# KiCad board MegaDrive.kicad_pcb (continued)
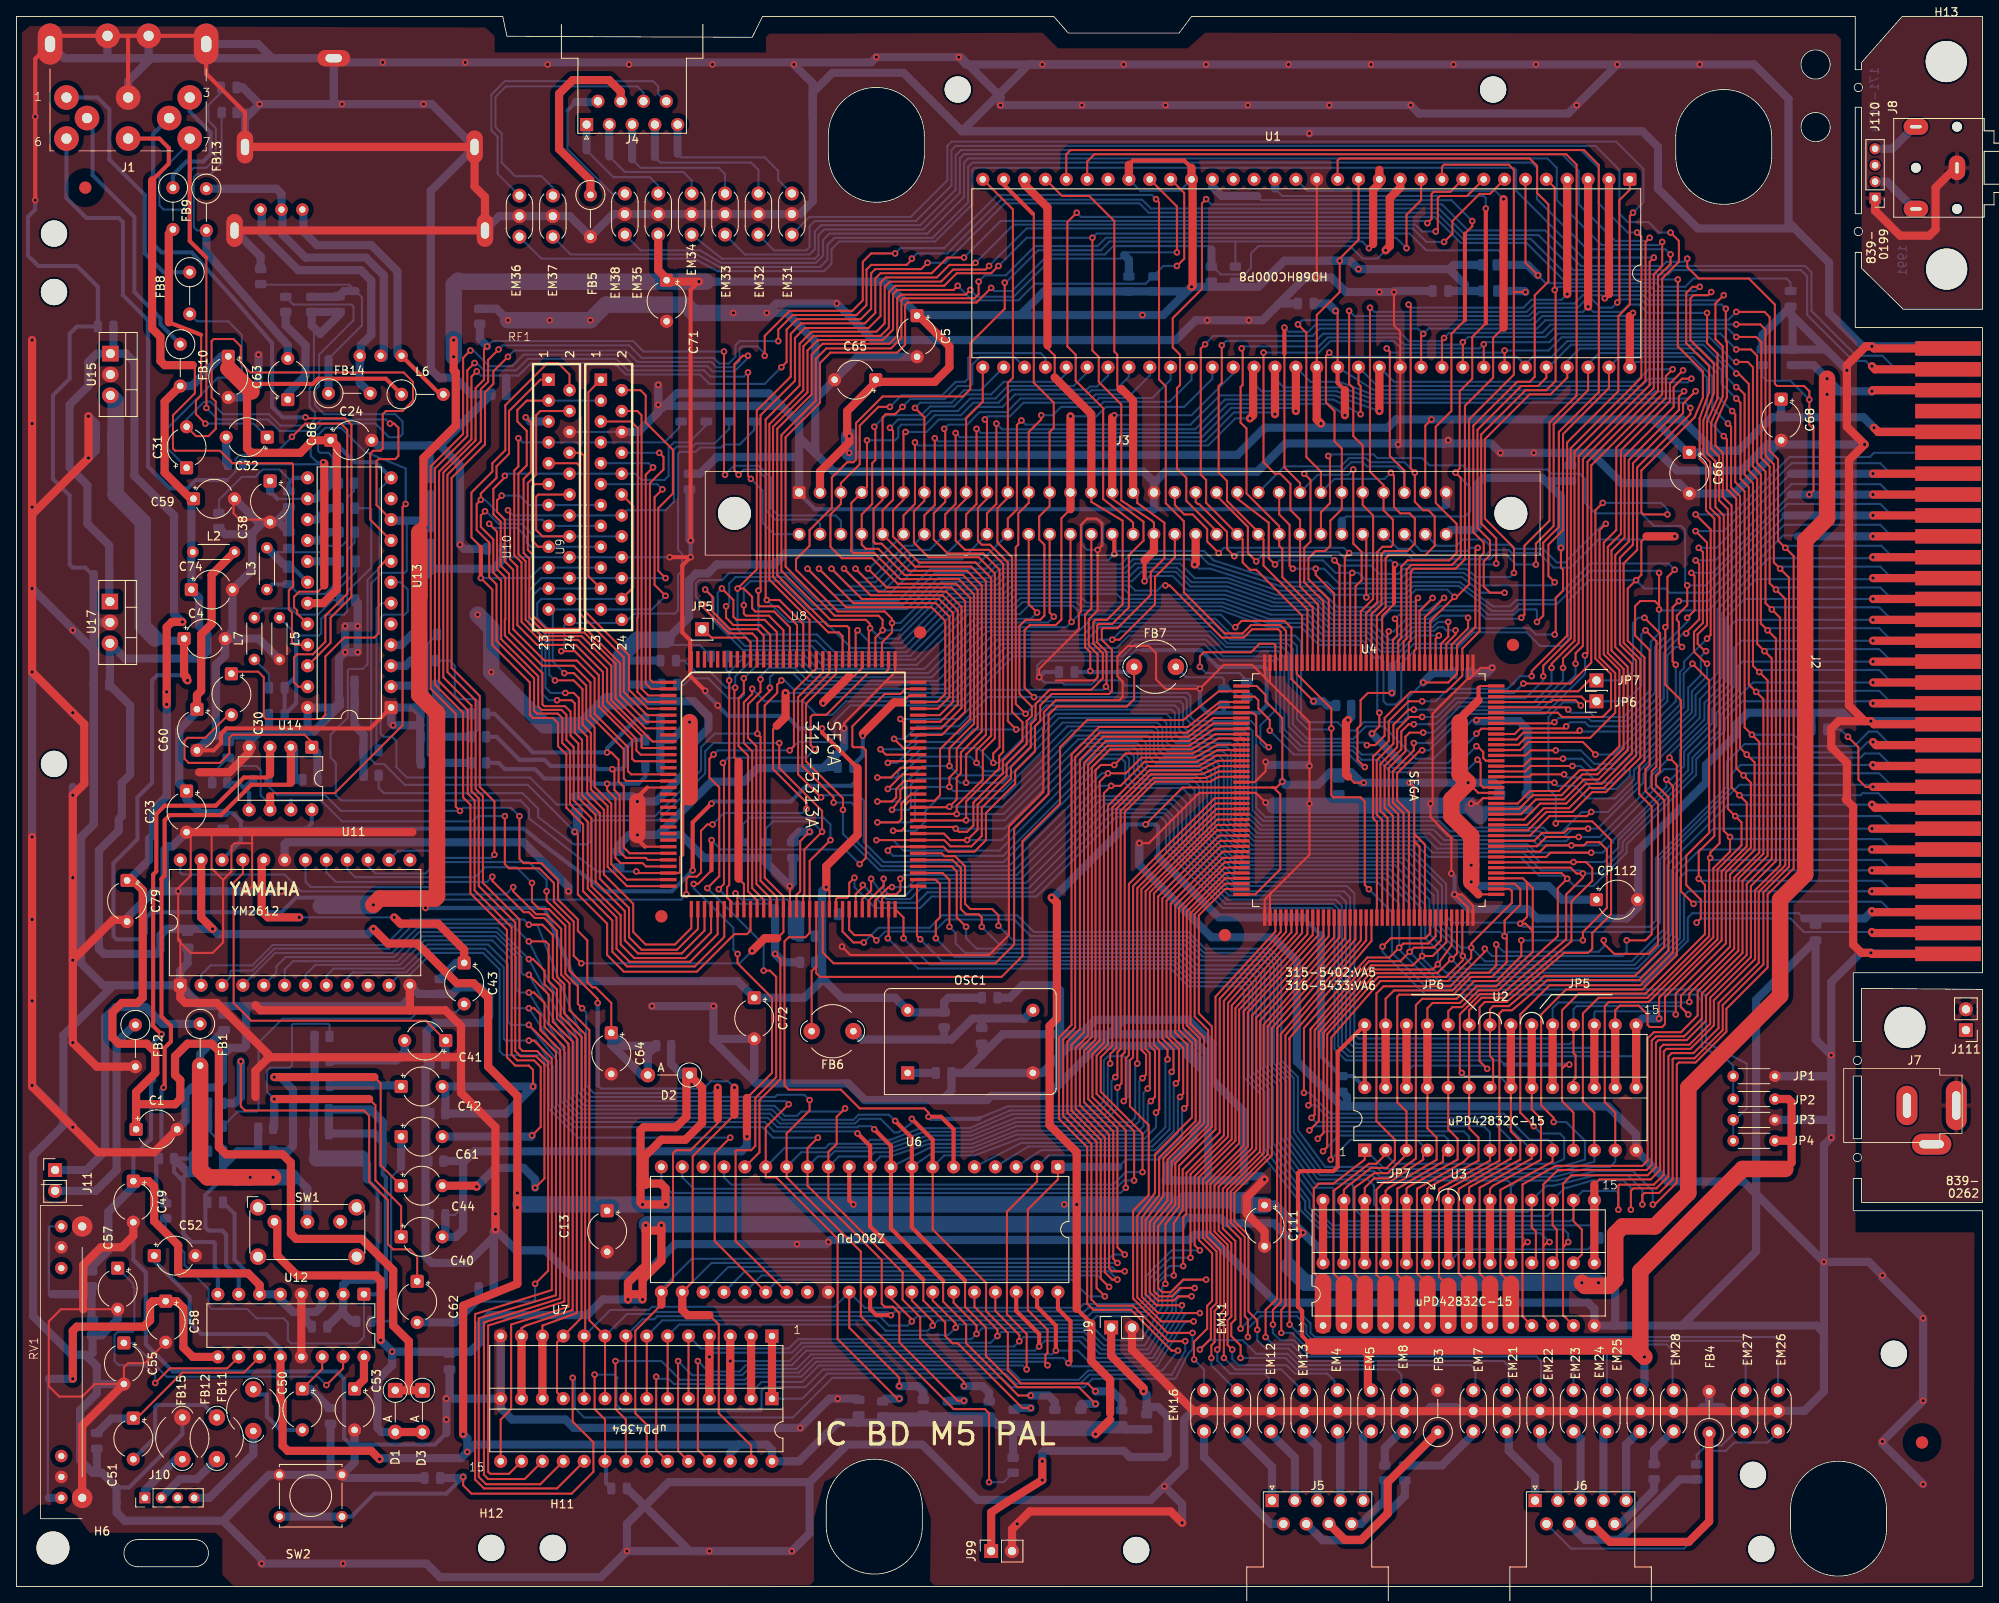
[diagram p0: board, top side]
## Routing (per net, layer and track width the routed paths; a pad name or vN(x,y) marks a point on that pad's centre or on a via; arc(x,y) is an arc through that point) (continued)
VDDF: length 190.3
  Top w0.25: v1(75.44,87) 75.63,86.8 U8.30 80.58,86.8 80.77,86.99 80.77,88.77 81.03,89.03
  Top w0.5: 81.92,96.01 81.03,95.12 81.03,89.03 ; L6.1 44.96,146.94 36.7,146.94 36.07,146.3 27.43,146.3
  Top w1: C24.1 36.07,139.45 34.54,137.92 28.58,137.92 28.07,138.43 28.07,145.67 27.43,146.3 ; 38.05,139.7 38.99,138.76 38.99,121.29 37.34,119.63 U13.19
  Top w2: 81.92,96.01 v1(81.92,105.16)
  Bottom w0.25: U13.12 44.2,133.48 44.2,123.95 42.73,122.49 42.73,112.2 42.16,111.63 40.51,111.63 40.32,111.44 40.32,105.73 38.23,103.63 38.23,100.84 38.86,100.2 38.86,96.27 39.5,95.63 61.34,95.63 62.36,94.62 62.36,93.47 70.61,87 v1(75.44,87)
  Bottom w0.5: 37.97,139.95 41.15,136.78 43.69,136.78 U13.12
  Bottom w1: v1(81.92,105.16) 79.76,103 R56.1 ; R57.1 R55.1
/A0: length 79
  Top w0.25: v1(66.67,111.13) 67.82,111.13 69.34,109.6 69.34,105.54 70.36,104.52 70.36,97.28 72.39,95.25 72.39,87.88 74.27,86 79.19,86 ; v1(78.61,133.48) 77.66,132.52 77.66,121.86 v1(78.99,120.52)
  Bottom w0.25: v1(66.67,111.13) 65.28,112.52 65.28,118.36 U10.23 U9.23 77.34,118.87 v1(78.99,120.52) ; U9.11 77.98,134.11 v1(78.61,133.48)
/A1: length 69.5
  Top w0.25: v1(65.53,110.24) 67.82,110.24 68.89,109.16 68.89,104.84 69.91,103.83 69.91,96.97 71.94,94.94 71.94,87.57 74.31,85.2 79.19,85.2 ; U9.12 75.06,131.44 75.06,121.54 U9.22
  Bottom w0.25: U9.22 U10.22 63.88,120.14 63.37,119.63 63.37,117.86 64.83,116.4 64.83,110.94 v1(65.53,110.24)
/A2: length 93.7
  Top w0.25: U9.1 69.6,145.29 69.6,122.94 U9.21 ; U8.33 82.13,80.1 80.14,78.11 76.58,78.11 75.06,79.63 75.06,83.06 71.49,86.63 71.49,94.5 69.46,96.53 69.46,103.39 68.44,104.41 68.44,108.09 67.82,108.71 v1(66.8,108.71)
  Bottom w0.25: U9.21 U10.21 63.69,121.41 62.86,120.58 62.86,117.35 64.38,115.84 64.38,109.36 65.02,108.71 v1(66.8,108.71)
/A3: length 106.5
  Top w0.25: v1(65.79,107.82) 67.56,107.82 67.95,107.44 67.95,103.89 68.83,103 68.83,96.27 70.99,94.11 70.99,86.11 74.55,82.55 74.55,78.99 76.07,77.47 80.39,77.47 82.93,80.01 U8.34 ; v1(78.99,122.68) 78.11,123.57 78.11,131.19 79.88,132.97 79.88,138.3 76.58,141.61 76.58,144.91 75.95,145.54 U9.2
  Bottom w0.25: v1(78.99,122.68) U9.20 U10.20 63.88,122.68 62.36,121.16 62.36,117.09 63.93,115.52 63.93,108.67 64.77,107.82 v1(65.79,107.82)
/A4: length 99.3
  Top w0.25: U10.11 63.12,134.11 62.74,133.73 62.74,127.25 63.5,126.49 U10.17 ; v1(57.53,129.29) 58.48,128.34 58.48,123.77 59.49,122.75 59.49,117.66 59.44,117.6 59.44,115.7 64.01,111.13 64.01,107.32 64.22,107.1 66.77,107.1 67.44,106.43 67.44,103.51 68.38,102.56 68.38,95.95 70.48,93.85 70.48,85.73 74.04,82.17 74.04,78.61 75.63,77.02 80.96,77.02 83.73,79.8 U8.35
  Bottom w0.25: v1(57.53,129.29) 58.04,128.78 60.96,128.78 62.1,127.64 62.1,127 62.61,126.49 U10.17 U9.17
/A5: length 107.7
  Top w0.25: U10.16 64.01,127.76 63.25,128.52 63.25,132.59 63.5,132.84 U10.12 ; U8.36 84.53,79.58 81.41,76.45 75.18,76.45 73.53,78.11 73.53,81.66 69.98,85.22 69.98,93.47 67.82,95.63 67.82,102.11 66.93,103 66.93,106.05 66.33,106.65 63.91,106.65 63.5,107.06 63.5,110.74 58.99,115.26 58.99,122.37 58.03,123.33 58.03,127.39 56.52,128.91 56.52,130.3 v1(57.02,130.81)
  Bottom w0.25: U9.16 U10.16 62.99,127.76 61.47,129.29 58.67,129.29 57.15,130.81 v1(57.02,130.81)
/A6: length 115.3
  Top w0.25: U8.37 85.33,79.36 81.97,76 74.62,76 73.03,77.6 73.03,81.41 69.53,84.91 69.53,93.03 67.37,95.19 67.37,101.67 66.42,102.62 66.42,105.66 65.89,106.2 63.35,106.2 62.99,106.55 62.99,110.49 58.42,115.06 58.42,121.92 57.53,122.81 57.53,127 56.01,128.52 56.01,131.7 v1(56.52,132.21) 56.52,132.97 58.42,134.87 58.42,136.27 59.94,137.8 59.94,143 63.75,146.81 U10.1
  Bottom w0.25: v1(56.52,132.21) 57.02,132.21 59.44,129.79 64.01,129.79 U10.15 U9.15
/A7: length 123.5
  Top w0.25: U8.38 86.13,79.02 82.55,75.44 74.3,75.44 72.52,77.22 72.52,81.03 68.96,84.58 68.96,92.71 66.92,94.75 66.92,101.23 65.91,102.24 65.91,105.03 65.28,105.66 62.86,105.66 62.48,106.05 62.48,109.98 57.91,114.55 57.91,121.29 v1(56.52,122.68) ; 56.52,126.49 55.37,127.64 55.37,133.1 57.91,135.64 57.91,136.65 59.49,138.23 59.49,143.71 64.63,148.84 65.91,148.84 67.31,147.45 U10.2
  Top w0.5: 56.52,126.49 v1(56.52,122.68)
  Bottom w0.25: U9.19 U10.19 63.75,123.95 62.48,122.68 v1(56.52,122.68)
/AudioShield: length 19
  Top w1: J110.1 226.19,167.39 229.24,164.34 232.79,164.34 233.55,165.1 233.55,170.18 235.97,172.59
/BG: length 222.4
  Top w0.25: U8.101 103.73,116.43 v1(103.89,116.59) 103.89,117.09 103.38,117.6 99.06,117.6 93.09,123.57 93.09,140.08 97.28,144.27 97.28,149.35 98.55,150.62 106.43,150.62 107.7,151.89 107.7,156.46 107.95,156.72 116.59,156.72 117.09,157.23 v1(117.09,158.75) ; U1.11 170.94,168.66 169.16,166.88 v1(169.16,162.81) ; 171.41,112.01 171.41,117.94 v1(173.74,120.27)
  Bottom w0.25: v1(173.74,120.27) 173.61,120.27 172.93,119.6 171.76,118.75 167.13,118.75 165.99,117.6 160.15,117.6 158.04,119.7 152.98,119.7 ; 152.91,119.76 147.32,121.67 142.87,121.67 141.1,123.44 136.91,123.44 135.76,122.3 120.78,122.3 119.76,121.29 113.28,121.29 107.32,115.32 105.16,115.32 v1(103.89,116.59) ; v1(169.16,162.81) 167.89,164.08 132.59,164.08 131.57,163.07 123.95,163.07 120.4,159.51 117.86,159.51 v1(117.09,158.75)
/BGACK: length 221.2
  Top w0.25: v1(172.34,120.27) 170.76,118.69 170.76,112.01 ; v1(118.62,157.99) 116.84,156.21 108.46,156.21 108.15,155.9 108.15,151.07 107.19,150.11 99.06,150.11 97.79,148.84 97.79,144.02 93.6,139.83 93.6,124.08 99.57,118.11 104.9,118.11 105.41,117.6 v1(105.41,116.33) 104.53,115.46 U8.100
  Top w1: U1.12 168.4,170.18 167.13,168.91 167.13,163.07 v1(166.62,162.56)
  Bottom w0.25: v1(172.34,120.27) 171.32,119.25 166.75,119.25 165.67,118.17 160.22,118.17 158.18,120.2 153.1,120.2 153.09,120.21 147.46,122.17 143,122.17 141.22,123.95 136.52,123.95 135.38,122.81 120.27,122.81 119.24,121.78 113.02,121.78 107.57,116.33 v1(105.41,116.33) ; v1(118.62,157.99) 119,157.61 121.16,157.61 125.6,162.05 132.46,162.05 133.48,163.07 145.03,163.07 145.42,162.69 ; 145.42,160.78 146.56,159.64 149.48,159.64 150.24,160.4 150.24,162.18 151.13,163.07 162.31,163.07 163.83,161.54 165.61,161.54 v1(166.62,162.56)
  Bottom w1: 145.42,160.78 145.42,162.69
/BR: length 209
  Top w0.25: 170.11,112.01 170.11,113.85 170.31,114.05 170.31,120.01 v1(170.56,120.27) ; U8.99 105.33,114.86 106.55,116.08 v1(106.55,117.22) 106.55,117.73 105.66,118.62 99.95,118.62 94.87,123.7 94.87,124.97 96.52,126.62 96.52,128.52 99.23,131.23 99.23,134.92 101.09,136.78 101.85,136.78 102.17,137.1 102.17,141.54 105.41,144.78 115.19,144.78 116.08,145.67 116.08,151.26 120.27,155.45 v1(120.27,158.62)
  Top w0.5: 165.1,163.32 v1(164.59,162.81)
  Top w1: 165.1,163.32 165.1,169.93 165.86,170.69 165.86,172.34
  Bottom w0.25: v1(120.27,158.62) 120.4,158.62 124.33,162.56 131.95,162.56 133.03,163.63 148.34,163.63 ; 148.34,160.7 148.34,163.63 ; 148.34,163.63 163.77,163.63 v1(164.59,162.81) ; v1(106.55,117.22) 107.57,117.22 112.58,122.23 118.93,122.23 120.02,123.32 135,123.32 136.14,124.46 141.61,124.46 143.38,122.68 147.37,122.68 153.29,120.65 158.5,120.65 160.53,118.62 165.36,118.62 166.5,119.76 170.05,119.76 v1(170.56,120.27)
/EDCK: length 99.6
  Top w0.25: J3.b15 130.81,119 130.05,118.24 130.05,114.3 130.68,113.67 v1(130.68,111.38) ; U8.53 98.13,77.13 99.44,75.82 119.13,75.82 121.41,78.11 121.41,92.2 125.6,96.39 125.6,106.05 126.62,107.06 135.13,107.06 136.02,107.95 FB7.1
  Bottom w0.5: C112.2 135.38,111.25 FB7.1
/FC0: length 153.5
  Top w0.25: v1(185.04,117.35) 185.8,118.11 185.8,127 187.71,128.91 187.71,140.46 192.57,145.33 192.57,172.94 190.75,174.75 128.27,174.75 127.76,174.24 U1.28 ; v1(167.77,117.73) 168.02,117.48 168.02,115.7 167.51,115.18 167.51,112.01
  Bottom w0.25: v1(185.04,117.35) 185.04,118.75 184.91,118.87 182.88,118.87 182.25,118.24 179.07,118.24 178.05,119.25 173.23,119.25 171.83,118.24 168.27,118.24 v1(167.77,117.73)
/FC1: length 142.3
  Top w0.25: U1.27 130.3,173.36 131.19,174.24 188.6,174.24 189.87,172.97 189.87,144.91 186.56,141.61 186.56,129.67 183.51,126.62 183.51,118.24 v1(183.13,117.86) ; v1(167,116.21) 166.86,116.06 166.86,112.01
  Bottom w0.25: v1(183.13,117.86) 183.01,117.73 178.82,117.73 177.8,118.75 173.36,118.75 171.96,117.73 169.16,117.73 167.64,116.21 v1(167,116.21)
/FRES: length 86.2
  Top w0.25: v1(205.74,115.32) 206.18,115.76 206.18,128.59 v1(204.34,130.43) ; 179.71,99.81 183.37,99.81 184.28,100.71 v1(188.21,100.71)
  Bottom w0.25: J2.a25 226.06,137.92 225.55,137.41 215.77,137.41 208.79,130.43 v1(204.34,130.43) ; v1(188.21,100.71) 190.5,100.71 191.77,99.44 194.56,99.44 202.44,107.32 202.44,111.25 202.95,111.76 202.95,112.52 v1(205.74,115.32)
/iA14: length 95.2
  Top w0.25: v1(187.32,92.84) 187.58,93.09 191.77,93.09 194.06,90.81 194.06,81.79 191.77,79.5 191.77,77.6 191.26,77.09 188.34,77.09 181.36,71.12 178.69,71.12 178.05,70.49 178.05,63.92 v1(178.98,62.99) ; v1(190.37,107.19) 189.74,107.82 186.94,107.82 186.73,107.61 179.71,107.61
  Top w1: U2.26 U2.26
  Bottom w0.25: v1(190.37,107.19) 189.99,107.57 188.21,107.57 186.44,105.79 186.44,97.03 187.32,96.14 v1(187.32,92.84) ; U2.26 169.16,62.61 169.93,63.37 178.6,63.37 v1(178.98,62.99)
/IPL1: length 109.8
  Top w0.25: U1.24 141.22,167.89 v1(141.22,162.31) ; U8.104 101.33,116.6 101.09,116.84 98.81,116.84 92.58,123.06 92.58,140.84 96.77,145.03 96.77,149.86 98.1,151.19 106.23,151.19 107.19,152.15 107.19,156.72 107.64,157.17 115.51,157.17 v1(116.08,157.74)
  Bottom w0.25: v1(116.08,157.74) 116.91,156.91 121.35,156.91 125.98,161.54 134.37,161.54 135.13,162.31 v1(141.22,162.31)
  Bottom w1: 134.81,161.99 135.38,161.42 R10.1
/IPL2: length 108.4
  Top w0.25: U8.105 100.53,115.62 100.08,116.08 98.81,116.08 92.08,122.81 92.08,141.1 96.27,145.29 96.27,150.37 97.54,151.64 105.41,151.64 106.68,152.91 106.68,157.23 107.19,157.73 114.05,157.73 v1(114.55,158.24) ; v1(141.22,160.66) 142.11,161.54 142.11,169.55 U1.23
  Bottom w0.25: v1(141.22,160.66) 139.57,160.66 137.41,158.5 123.95,158.5 121.92,156.46 116.33,156.46 v1(114.55,158.24)
/NTSC: length 296.4
  Top w0.25: 155.81,112.01 155.81,111.02 160.02,106.81 v1(160.02,104.39) 160.02,96.27 160.27,96.01 163.58,96.01 164.08,95.5 164.08,85.34 v1(164.59,84.84) ; v1(91.69,109.35) 91.69,108.97 90.17,107.44 v1(90.17,103.76) 90.55,103.38 90.55,85.85 92.53,83.87 U8.46
  Bottom w0.25: v1(160.02,104.39) 159.89,104.27 157.1,104.27 155.83,105.54 155.83,114.43 155.07,115.19 147.7,115.19 145.67,117.22 131.32,117.22 129.85,115.76 118.8,115.76 112.77,109.72 95.9,109.72 94.49,111.13 92.2,111.13 91.69,110.62 v1(91.69,109.35) ; U13.7 46.74,122.17 47.62,121.29 47.62,118.62 47.24,118.24 44.7,118.24 44.32,117.86 44.32,103.76 44.7,103.38 45.72,103.38 46.23,102.87 46.23,99.7 47.5,98.43 62.48,98.43 65.79,95.12 69.6,95.12 70.99,93.73 77.72,93.73 83.31,99.31 83.31,102.11 84.96,103.76 v1(90.17,103.76) ; JP4.1 208.92,56.52 210.57,58.17 210.57,63.63 205.61,66.17 205.61,71.76 204.72,72.64 171.83,72.64 167.39,77.09 167.39,82.04 v1(164.59,84.84)
/SD0: length 35.3
  Top w0.25: 79.19,110 77.45,110 77.09,110.36 77.09,134.24 78.74,135.89 78.74,137.41 v1(78.23,137.92)
  Bottom w0.25: v1(78.23,137.92) U9.8
/SD1: length 36.1
  Top w0.25: v1(77.47,136.14) 76.58,135.25 76.58,109.86 77.23,109.2 79.19,109.2
  Bottom w0.25: U9.9 76.96,136.65 v1(77.47,136.14)
/SD2: length 39.4
  Top w0.25: 79.19,108.4 76.89,108.4 76.07,109.22 76.07,142.49 75.56,143 U9.4
/SD3: length 41.1
  Top w0.25: 79.19,107.6 76.8,107.6 75.56,108.84 75.56,117.86 75.62,117.91 75.62,140.91 74.8,141.73 U9.5
/SD4: length 38.2
  Top w0.25: 79.19,106.8 76.84,106.8 74.55,109.09 74.55,113.28 69.09,118.75 69.09,137.54 68.71,137.92 U10.8
/SD5: length 40.1
  Top w0.25: 79.19,106 76.75,106 73.91,108.84 73.91,113.03 68.58,118.36 68.58,136.27 68.2,136.65 U10.9
/SD6: length 53.3
  Top w0.25: U10.4 63.75,143 63.25,142.49 63.25,135.25 62.23,134.24 62.23,126.11 62.86,125.48 62.86,118.11 64.46,116.52 69.29,116.52 73.46,112.34 73.46,108.4 76.66,105.2 79.19,105.2
/SD7: length 53.1
  Top w0.25: 79.19,104.4 76.57,104.4 72.9,108.08 72.9,112.27 69.1,116.07 64.27,116.07 62.42,117.92 62.42,125.04 61.72,125.73 61.72,134.75 62.61,135.64 62.61,141.61 v1(61.98,142.24)
  Bottom w0.5: v1(61.98,142.24) 62.48,141.73
  Bottom w1: 62.48,141.73 U10.5
/SL1: length 181.8
  Top w0.25: v1(62.86,60.83) 62.86,62.87 62.36,63.37 60.71,63.37 59.69,64.39 59.69,79.88 55.25,84.33 55.25,95.12 54.36,96.01 54.36,106.3 50.93,109.73 50.93,136.02 54.86,139.95 54.86,147.96 v1(55.75,148.84) ; v1(89.03,147.7) 89.03,135.1 v1(89.38,134.75)
  Bottom w0.25: v1(89.38,134.75) 90.8,133.32 90.8,129.41 92.2,128.02 J3.b1 ; v1(89.03,147.7) 88.52,147.19 84.45,147.19 83.69,147.96 74.42,147.96 73.03,149.35 62.23,149.35 60.83,147.96 56.91,147.96 56.02,148.84 v1(55.75,148.84)
  Bottom w1: 52.2,60.45 C42.2 v1(62.86,60.83) 59.56,57.53 R32.2 52.2,60.45
/SL2: length 320.9
  Top w0.25: v1(110.87,161.04) 110.11,160.27 104.52,160.27 104.01,159.77 104.01,155.45 102.74,154.18 95,154.18 93.73,152.91 93.73,148.97 v1(93.09,148.34) ; v1(56.01,147.83) 55.37,147.19 55.37,139.57 51.44,135.64 51.44,110.11 54.92,106.62 54.92,96.46 55.75,95.63 55.75,84.71 60.26,80.21 60.26,64.71 60.96,64.01 62.99,64.01 63.8,63.2 63.8,55.93 v1(62.74,54.86)
  Top w1: J2.b29 226.19,148.08 v1(225.81,148.46)
  Bottom w0.25: v1(110.87,161.04) 113.03,161.04 120.27,168.28 136.65,168.28 137.8,167.13 172.85,167.13 176.02,163.96 184.28,163.96 188.6,159.64 201.04,159.64 201.55,160.15 217.17,160.15 217.93,159.39 217.93,154.69 223.52,149.1 225.04,149.1 225.68,148.46 ; v1(56.01,147.83) 56.52,147.32 61.09,147.32 62.61,148.84 72.77,148.84 74.17,147.45 83.19,147.45 84.33,146.3 91.06,146.3 v1(93.09,148.34)
  Bottom w1: v1(62.74,54.86) 62.61,54.74 C61.2 ; R50.2 59.61,147.05
/SR1: length 194
  Top w0.25: v1(57.28,150.88) 56.9,150.5 56.9,146.81 55.88,145.8 55.88,139.45 51.94,135.51 51.94,110.62 55.37,107.19 55.37,96.77 56.26,95.89 56.26,85.22 60.71,80.77 60.71,65.15 61.34,64.52 63.25,64.52 64.25,63.51 64.25,49.65 v1(63.12,48.51) ; v1(86.11,150.24) 86.11,135.38 v1(86.23,135.25)
  Top w1: v1(56.01,48.64) 55.88,48.77 C44.2
  Bottom w0.25: v1(57.28,150.88) 57.91,151.51 75.06,151.51 76.33,150.24 v1(86.11,150.24) ; J3.b3 100.33,129.67 99.7,130.3 92.71,130.3 91.82,131.19 91.82,134.88 90.36,136.34 87.32,136.34 v1(86.23,135.25)
  Bottom w1: v1(63.12,48.51) 63.12,49.53 61.72,50.93 58.29,50.93 v1(56.01,48.64) ; v1(57.28,150.88) 56.39,151.77 R33.2
/SR2: length 344.4
  Top w0.25: v1(108.97,161.54) 108.97,161.42 108.33,160.78 104.01,160.78 103.45,160.22 103.45,155.9 102.23,154.69 94.49,154.69 92.71,152.91 v1(92.71,151.51) ; v1(63.12,36.83) 64.7,38.41 64.7,63.82 63.37,65.15 61.59,65.15 61.21,65.53 61.21,81.15 56.77,85.6 56.77,96.14 55.88,97.03 55.88,107.82 52.45,111.25 52.45,135.25 56.52,139.32 56.52,145.67 57.4,146.56 57.4,149.23 v1(58.67,150.5)
  Bottom w0.25: v1(58.67,150.5) 59.18,151 74.55,151 76.07,149.48 84.84,149.48 85.53,148.79 86.68,148.79 87.5,149.61 87.5,151 88.01,151.51 v1(92.71,151.51) ; J2.a29 228.73,148.08 227.08,149.73 223.9,149.73 218.44,155.19 218.44,159.89 217.68,160.66 201.3,160.66 200.79,160.15 189.48,160.15 185.22,164.41 176.33,164.41 173.1,167.64 138.05,167.64 136.96,168.73 119.83,168.73 113.28,162.18 109.6,162.18 v1(108.97,161.54) ; 55.5,34.67 62.86,34.67 63.12,34.93 v1(63.12,36.83)
  Bottom w1: C62.2 53.34,32.13 56.26,35.05 56.26,36.32
/VA1: length 366.7
  Top w0.25: U1.29 127.25,169.16 130.56,169.16 133.6,166.12 133.6,150.24 133.97,149.88 133.97,146.07 134.37,145.67 ; U8.71 112.82,90 113.41,89.41 116.59,89.41 117.98,90.81 117.98,94.11 121.54,97.66 121.54,99.19 123.95,101.6 123.95,104.65 124.59,105.28 124.59,107.19 125.98,108.59 132.97,108.59 133.31,108.93 133.31,113.96 132.08,115.19 132.08,116.46 132.21,116.59 133.99,116.59 138.05,120.65 138.05,123.44 139.7,125.1 139.7,129.41 136.4,131.83 136.4,132.59 J3.a17 ; 109.59,90 106.51,90 v1(106.05,89.54) ; v1(156.68,60.07) 156.68,67.94 164.39,76.52 167.07,76.52 v1(168.27,77.72) 168.78,78.23 171.83,78.23 172.71,79.11 172.71,81.76 ; 135.89,144.27 135.89,144.02 ; U2.10 186.94,51.69 180.59,48.26 180.59,38.1 181.86,36.83
  Top w1: v1(225.81,82.17) 225.93,82.04 J2.b3 ; 135.89,144.02 J3.a17 ; 135.89,144.27 134.49,145.67 134.37,145.67
  Top w2: 181.86,36.83 U3.10
  Bottom w0.25: 217.55,81.28 216.92,81.92 203.96,81.92 203.4,81.35 203.4,78.55 198,73.15 172.58,73.15 168.27,77.46 v1(168.27,77.72) 168.27,83.06 165.61,85.73 148.08,85.73 142.88,90.93 142.88,96.14 141.86,97.16 135.51,97.16 134.93,97.73 134.93,100.27 134.49,100.71 131.89,100.71 120.08,88.9 106.68,88.9 v1(106.05,89.54) ; v1(156.68,60.07) 157.35,60.07 159.89,57.53 180.98,57.53 184.15,54.36 186.44,54.36 186.94,53.85 U2.10
  Bottom w1: 217.55,81.28 224.92,81.28 v1(225.81,82.17)
/VA2: length 361.2
  Top w0.25: 130.81,142.62 130.81,142.24 ; v1(104.65,90.81) 104.65,90.8 109.59,90.8 ; 126.35,147.08 126.35,149.75 125.48,150.62 ; U8.72 112.9,90.8 113.67,90.04 116.2,90.04 117.48,91.31 117.48,94.74 121.03,98.3 121.03,99.7 123.44,102.11 123.44,104.9 124.02,105.48 124.02,107.37 125.74,109.09 130.81,109.09 132.21,110.49 132.21,113.54 131.06,114.68 131.06,117.35 131.32,117.6 132.71,117.6 134.62,119.51 134.62,129.67 130.81,131.95 J3.a15 ; 179.32,36.83 178.05,38.1 178.05,48.51 184.4,52.07 U2.9 ; v1(157.23,58.55) 157.48,58.8 157.48,67.82 157.61,67.95 164.59,76.07 168.4,76.07 v1(169.55,77.22) 170.05,77.72 172.47,77.72 173.36,78.61 173.36,81.76
  Top w1: J2.b4 v1(225.81,84.58) ; 130.81,142.24 J3.a15 ; 126.35,147.08 130.81,142.62 ; 122.68,170.69 122.68,170.56 125.48,167.77 125.48,151
  Top w2: 179.32,36.83 U3.9
  Bottom w0.25: v1(104.65,90.81) 106.68,90.81 107.95,89.54 119.63,89.54 131.32,101.22 134.87,101.22 135.38,100.71 135.38,98.3 136.02,97.66 142.62,97.66 143.38,96.9 143.38,91.19 148.34,86.23 166.37,86.23 169.55,83.06 v1(169.55,77.22) 169.55,77.21 173.09,73.66 197.87,73.66 202.95,78.74 202.95,84.07 203.45,84.58 v1(225.81,84.58) ; U2.9 180.47,57.02 159.64,57.02 158.12,58.55 v1(157.23,58.55)
/VA3: length 336.3
  Top w0.25: U2.8 181.86,52.07 175.51,48.39 175.51,38.1 176.78,36.83 ; 109.59,91.6 112.87,91.6 113.67,90.81 v1(115.7,90.81) 116.97,92.08 116.97,95.12 120.5,98.65 120.5,100.05 122.94,102.49 122.94,105.27 123.57,105.91 123.57,107.06 122.06,108.57 122.06,116.85 122.81,117.6 124.59,117.6 125.1,118.11 125.1,126.75 124.46,127.38 124.46,130.18 125.73,131.44 J3.a13 125.73,140.46 126.24,140.97 126.24,144.02 123.81,146.45 123.81,167.02 ; v1(157.61,57.02) 157.99,57.4 157.99,67.69 158.12,67.82 164.85,75.57 169.93,75.57 v1(171.07,76.71) 172.34,76.71 174.01,78.38 174.01,81.76
  Top w0.5: 120.14,170.69 120.14,170.56 123.68,167.02
  Top w1: J2.b5 v1(225.81,87.12)
  Top w2: 176.78,36.83 U3.8
  Bottom w0.25: v1(225.81,87.12) 203.33,87.12 202.44,86.23 202.44,78.87 197.74,74.17 173.36,74.17 171.07,76.45 v1(171.07,76.71) 171.07,78.11 170.94,78.23 170.94,82.55 166.75,86.74 148.59,86.74 143.95,91.38 143.95,97.35 143.13,98.17 136.78,98.17 136.01,98.94 136.01,100.98 135.25,101.73 130.81,101.73 119.89,90.81 v1(115.7,90.81) ; v1(157.61,57.02) 158.12,56.52 179.7,56.52 181.86,54.36 U2.8
/VA4: length 334
  Top w0.25: 174.24,36.58 173.12,37.7 173.12,48.39 179.32,51.82 U2.7 ; 174.66,81.76 174.66,78.01 v1(172.97,75.7) ; 120.65,132.46 119.38,131.19 119.38,127 121.16,125.22 121.16,106.43 122.43,105.16 122.43,102.87 120.05,100.49 120.05,98.97 116.46,95.38 116.46,92.58 115.7,91.82 114.68,91.82 v1(114.3,92.2) 114.1,92.4 109.59,92.4 ; U1.32 121.27,167.53 121.27,147.05 120.65,146.43 J3.a11 ; v1(157.35,55.5) 158.5,56.64 158.5,67.44 158.62,67.56 165.11,75.07 172.34,75.07 v1(172.97,75.7) ; v1(172.97,75.7) 172.97,75.69
  Top w1: J2.b6 v1(225.81,89.66)
  Top w2: 174.24,36.58 U3.7
  Bottom w0.25: v1(157.35,55.5) 157.86,56.01 178.56,56.01 179.32,55.25 U2.7 ; v1(225.81,89.66) 204.85,89.66 201.93,86.74 201.93,79.12 197.49,74.68 173.99,74.68 v1(172.97,75.7) 172.97,77.35 171.45,78.87 171.45,82.93 167.13,87.25 148.84,87.25 144.4,91.69 144.4,97.79 143.51,98.68 137.16,98.68 136.46,99.38 136.46,101.67 135.95,102.18 130.24,102.18 120.27,92.2 v1(114.3,92.2)
/VA5: length 307.3
  Top w0.25: U1.33 117.6,144.15 115.57,142.11 J3.a9 115.57,132.33 114.3,131.06 114.3,127.25 115.43,126.12 118.35,126.12 120.08,124.39 120.08,101.54 119.6,101.06 119.6,99.53 115.57,95.5 v1(115.57,93.22) 115.56,93.2 109.59,93.2 ; U2.6 176.78,52.32 176.15,51.69 170.43,48.39 170.43,38.1 171.7,36.83 ; v1(158.37,54.48) 159.06,55.18 159.06,67.37 159.13,67.44 165.42,74.62 172.92,74.62 v1(174.62,76.33) 175.31,77.01 175.31,81.76
  Top w1: J2.b7 v1(225.81,92.2)
  Top w2: 171.7,36.83 U3.6
  Bottom w0.25: v1(158.37,54.48) 159.26,55.37 176.15,55.37 176.78,54.74 U2.6 ; v1(115.57,93.22) 120.27,93.22 129.68,102.63 136.39,102.63 136.91,102.11 136.91,99.82 137.54,99.19 144.14,99.19 144.91,98.43 144.91,91.82 148.98,87.75 167.78,87.75 171.96,83.57 171.96,79.38 174.62,76.71 v1(174.62,76.33) 175.78,75.17 197.22,75.17 201.42,79.38 201.42,87.12 206.5,92.2 v1(225.81,92.2)
/VA6: length 317.4
  Top w0.25: 109.59,94 114.4,94 v1(114.43,93.98) 114.43,95 117.6,98.17 117.6,101.73 119.07,103.19 119.07,123.25 117.09,125.22 111,125.22 109.22,127 109.22,130.81 110.49,132.08 J3.a7 110.49,142.24 v1(109.35,143.38) ; U2.5 173.61,52.45 173.61,51.69 168.04,48.41 168.04,37.96 169.16,36.83 ; 175.96,81.76 175.96,76.77 v1(176.02,76.71) 176.02,76.2 173.99,74.17 165.74,74.17 165.48,73.91 159.51,67.18 159.51,53.47 v1(159,52.96)
  Top w1: v1(225.81,95.12) 226.19,94.74 J2.b8
  Top w2: 169.16,36.83 U3.5
  Bottom w0.25: U2.5 174.24,54.36 173.74,54.86 160.91,54.86 v1(159,52.96) ; v1(114.43,93.98) 120.14,93.98 129.24,103.08 136.95,103.08 137.47,102.56 137.47,100.15 137.93,99.68 144.66,99.68 145.4,98.94 145.4,92.09 149.29,88.2 168.34,88.2 172.47,84.07 172.47,80.26 v1(176.02,76.71) 177.11,75.62 196.91,75.62 200.93,79.64 200.93,87.77 208.28,95.12 v1(225.81,95.12) ; v1(109.35,143.38) 109.98,144.02 113.79,144.02 115.32,145.54 117.35,145.54 U1.34
/VA7: length 342.2
  Top w0.25: 166.62,36.83 165.5,37.96 165.5,48.28 166.37,49.15 167,49.15 171.2,51.94 171.2,52.45 U2.4 ; v1(225.93,97.28) 225.04,97.28 224.16,98.17 224.16,102.11 v1(222.88,103.38) ; v1(107.82,143.51) 106.93,142.62 105.79,142.62 105.41,142.24 J3.a5 105.41,132.21 104.31,131.11 104.31,127.08 104.52,126.87 105.28,126.87 108.58,123.57 115.7,123.57 117.48,121.79 117.48,104.01 114.93,101.47 114.93,98.93 114.43,98.43 114.43,95.76 v1(113.54,94.87) 113.47,94.8 109.59,94.8 ; v1(159.93,51.94) 160.02,52.03 160.02,66.8 165.99,73.66 174.24,73.66 177.04,76.45 v1(177.04,77.72) 177.04,78.23 181.99,83.19 181.99,84.58 181.71,84.86 179.71,84.86
  Top w1: v1(225.93,97.28) J2.b9
  Top w2: 166.62,36.83 U3.4
  Bottom w0.25: U1.35 121.41,149.61 117.28,149.61 116.33,148.66 116.33,146.3 116.08,146.05 114.55,146.05 112.97,144.47 108.78,144.47 v1(107.82,143.51) ; v1(159.93,51.94) 162.35,54.36 170.43,54.36 U2.4 ; v1(222.88,103.38) 222,104.27 C120.1 ; v1(225.93,97.28) 225.68,97.54 209.68,97.54 200.48,88.33 200.48,79.95 196.6,76.07 178.69,76.07 v1(177.04,77.72) 175.77,77.72 172.97,80.52 172.97,84.58 168.91,88.65 149.61,88.65 145.85,92.4 145.85,99.64 145.36,100.13 138.63,100.13 137.92,100.84 137.92,103.25 137.65,103.53 128.67,103.53 120.02,94.87 v1(113.54,94.87)
/VA8: length 339.3
  Top w0.25: v1(106.68,91.95) 107.7,91.95 108.15,92.4 108.15,95.07 108.68,95.6 111.73,95.6 112.39,96.27 112.39,101.85 116.08,105.54 116.08,120.27 114.36,121.99 107.25,121.99 104.14,125.1 100.46,125.1 99.06,126.49 99.06,130.43 100.33,131.7 J3.a3 100.33,134.24 102.62,136.53 102.62,141.23 104.9,143.51 v1(106.3,143.51) ; U2.3 169.16,57.79 168.04,58.91 168.04,71.77 168.27,72.01 174.88,72.01 177.04,74.17 179.58,74.17 181.36,75.95 181.36,78.87 v1(181.1,79.12) 181.1,81.03 183.01,82.93 183.01,84.84 182.33,85.51 179.71,85.51 ; 164.08,36.83 162.81,38.1 162.81,48.51 165.25,50.29 166.88,50.29 169.16,52.58
  Top w1: J2.b10 226.06,99.82 v1(225.93,99.95)
  Top w2: 164.08,36.83 U3.3
  Bottom w0.25: U1.36 125.22,149.48 124.64,150.06 116.4,150.06 115.82,149.48 115.82,146.94 115.44,146.56 114.3,146.56 112.66,144.92 107.71,144.92 v1(106.3,143.51) ; v1(106.68,91.95) 109.47,91.95 110.62,93.09 110.62,94.36 112.14,95.89 120.14,95.89 128.4,104.14 138.18,104.14 138.43,103.89 138.43,101.35 139.19,100.58 145.8,100.58 146.3,100.08 146.3,92.71 149.86,89.15 169.55,89.15 173.48,85.22 173.48,80.9 174.75,79.63 180.59,79.63 v1(181.1,79.12) 181.61,79.63 198.88,79.63 200.02,80.77 200.02,88.52 208.66,97.16 208.66,98.81 209.8,99.95 v1(225.93,99.95)
/VA9: length 335.2
  Top w0.25: 184.53,78.87 184.53,84.96 183.83,85.66 ; 184.53,78.87 184.53,79.76 183.64,80.65 v1(183.01,80.65) 183.83,81.47 183.83,85.66 ; 184.53,78.87 184.53,77.22 180.09,73.03 177.67,73.03 175.64,70.99 172.34,70.99 171.7,70.36 U2.25 ; U8.79 108.85,96.4 107.7,95.25 107.7,93.35 107.32,92.96 v1(104.77,92.96) ; U2.25 171.7,55.75 172.83,54.63 172.83,51.93 167,48.51 166.62,48.13 U3.25 ; v1(104.39,141.1) 104.52,140.97 104.52,137.03 104.14,136.65 104.14,131.7 102.87,130.43 J3.b4 102.87,126.75 103.38,126.24 104.9,126.24 108.08,123.06 115.19,123.06 116.98,121.27 116.98,104.53 114.43,101.98 114.43,99.31 113.54,98.43 v1(113.54,97.28) ; 183.83,85.66 183.34,86.16 179.71,86.16
  Top w1: v1(225.93,102.74) 226.31,102.36 J2.b11 ; U2.25 U2.25 ; U3.25 U3.25
  Bottom w0.25: v1(104.39,141.1) 105.79,142.49 110.11,142.49 111.18,143.57 114.1,143.57 115.57,145.03 118.62,145.03 120.14,146.56 126.75,146.56 127.76,147.57 U1.37 ; v1(104.77,92.96) 108.97,92.96 109.35,93.35 109.35,96.65 109.98,97.28 v1(113.54,97.28) 114.05,96.77 120.02,96.77 127.89,104.65 138.43,104.65 138.94,104.14 138.94,101.85 139.7,101.09 146.3,101.09 146.93,100.47 146.93,92.85 150.11,89.66 169.8,89.66 173.99,85.47 173.99,81.53 174.75,80.77 182.88,80.77 v1(183.01,80.65) 183.39,80.26 198.75,80.26 199.52,81.03 199.52,88.65 208.15,97.28 208.15,100.33 210.31,102.49 216.15,102.49 217.17,101.47 224.03,101.47 225.3,102.74 v1(225.93,102.74)
